# KiCad board px16_regfile.kicad_pcb (continued)
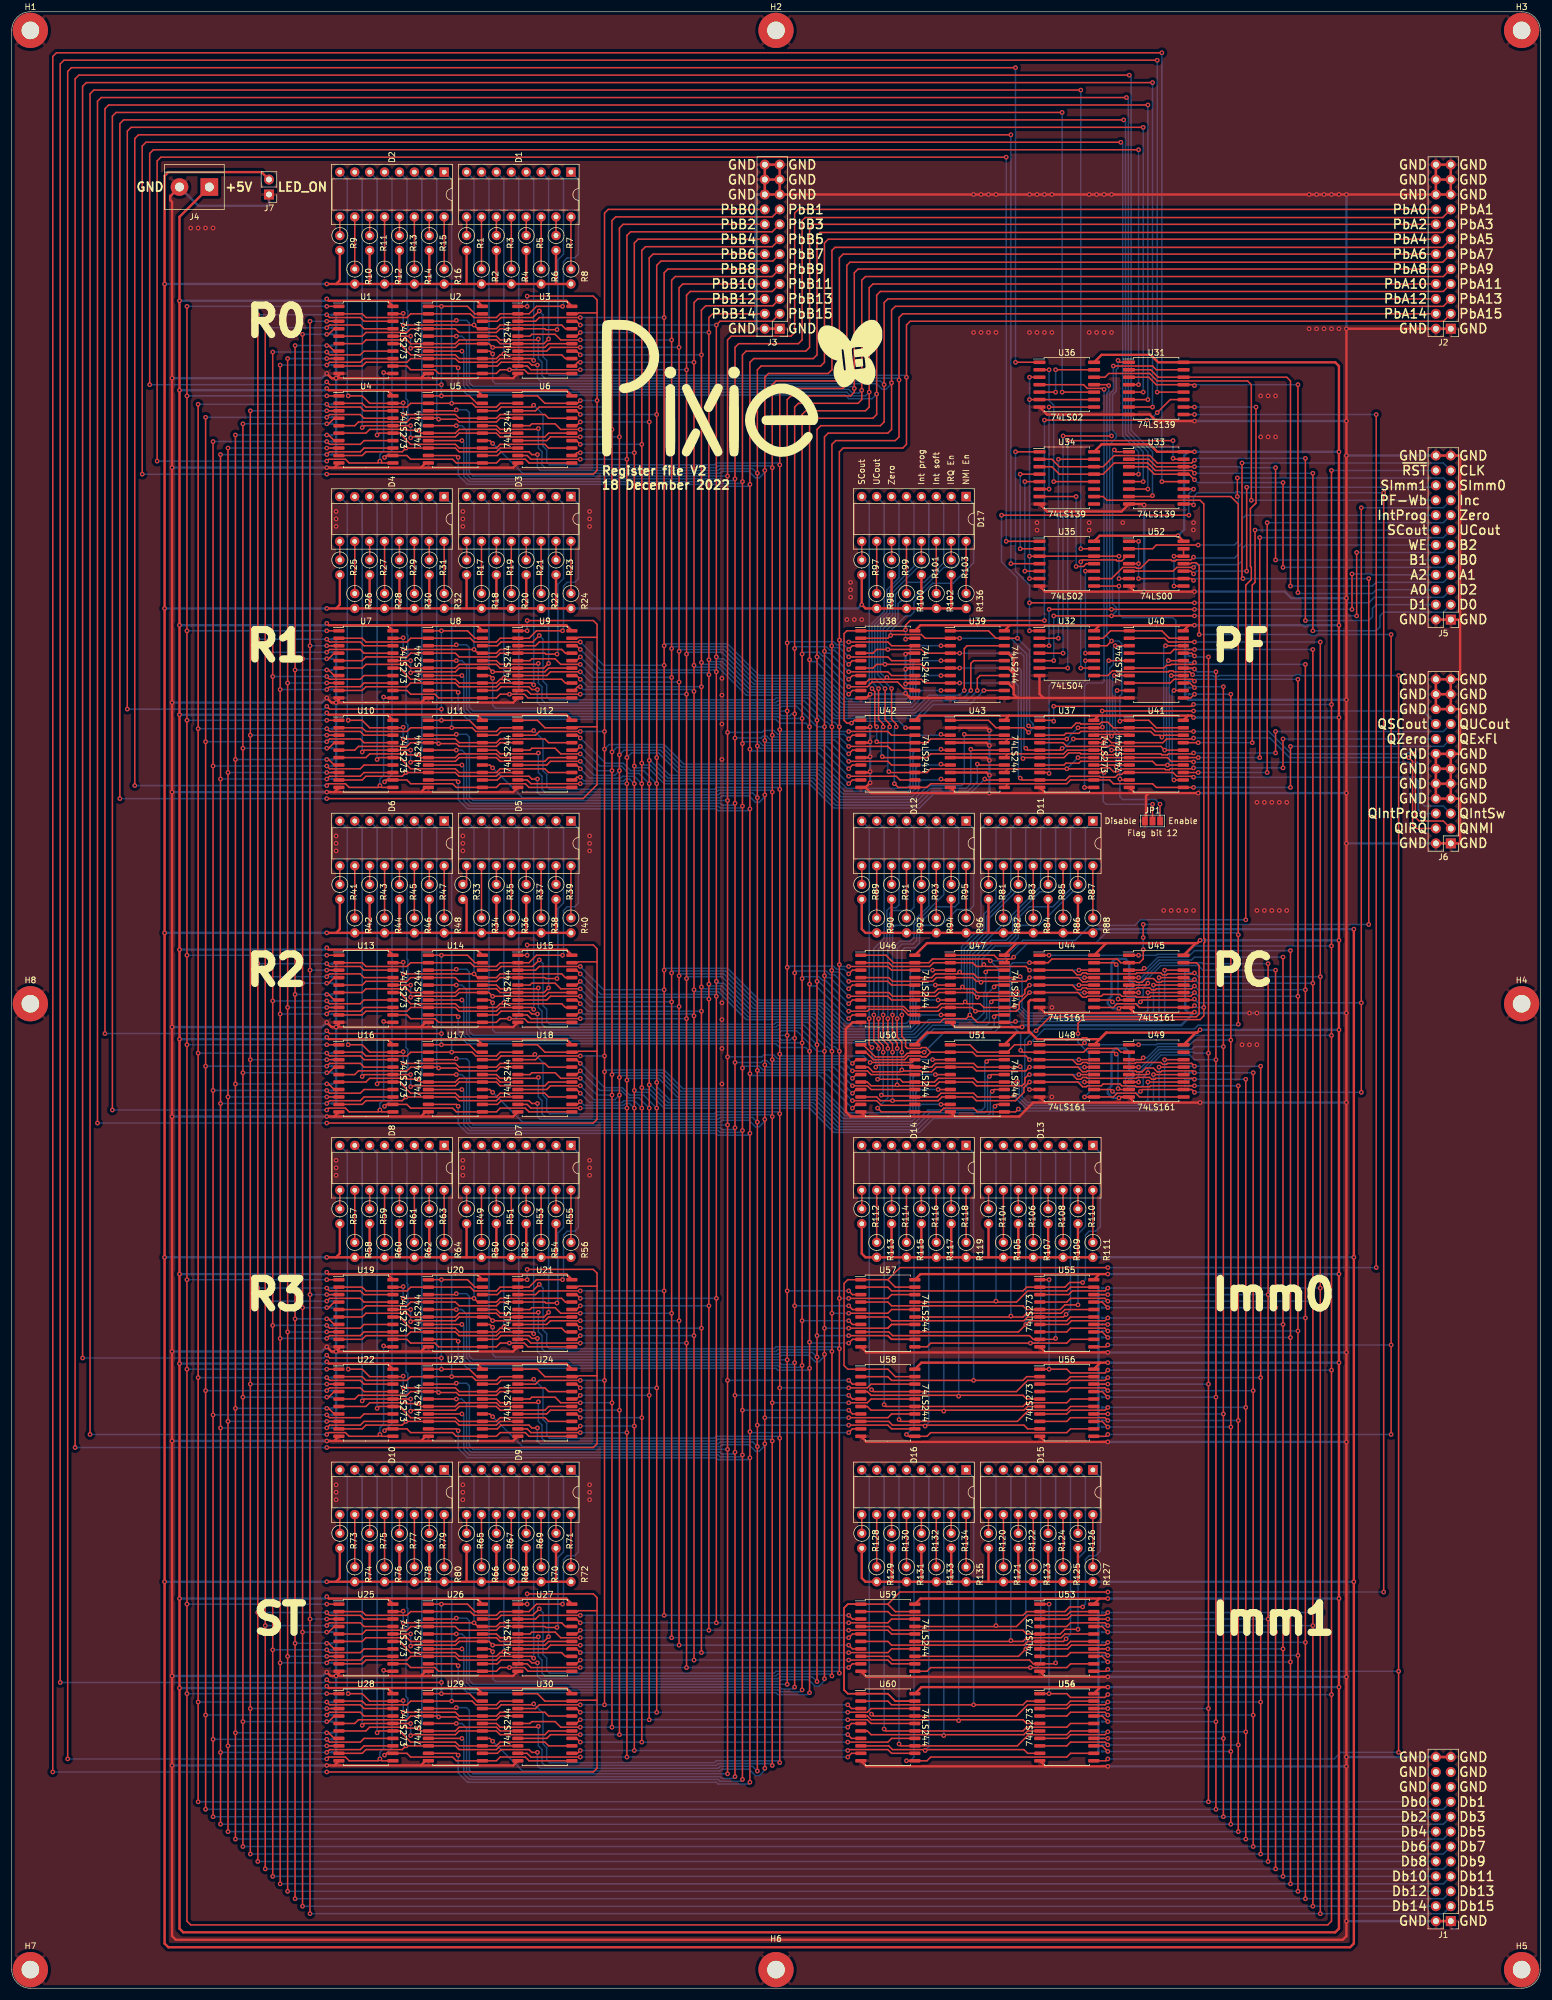
[diagram p0: board, top side]
## Routing (per net, layer and track width the routed paths; a pad name or vN(x,y) marks a point on that pad's centre or on a via; arc(x,y) is an arc through that point) (continued)
/R1Q6: length 64
  Top w0.25: U9.15 91.44,224.79 90.81,224.16 v1(81.92,224.16) 81.28,224.79 U8.15 76.2,224.79 75.57,224.16 68.1,224.16 v1(67.95,224) ; U7.16 v1(67.95,226.06)
  Bottom w0.25: D3.7 81.28,252.73 81.28,224.79 v1(81.92,224.16) ; v1(67.95,226.06) v1(67.95,224)
/R1Q7: length 59.9
  Top w0.25: U9.17 94.3,227.33 93.66,227.97 83.18,227.97 82.55,227.33 U8.17 79.38,227.33 v1(78.74,227.97) v1(66.68,227.97) ; v1(66.68,229.96) 66.59,229.87 U7.19
  Bottom w0.25: v1(78.74,227.97) 78.74,252.73 D3.8 ; v1(66.68,229.96) v1(66.68,227.97)
/R1Q8: length 71.4
  Top w0.25: U10.2 59.69,214.63 60.33,214 67.31,214 67.95,214.63 U11.2 v1(74.93,214.63) 78.42,214.63 79.06,214 82.55,214 83.19,214.63 U12.2
  Bottom w0.25: 73.66,254 74.93,252.73 v1(74.93,214.63)
/R1Q9: length 74.3
  Top w0.25: U10.5 58.42,210.82 59.06,211.46 67.31,211.46 67.95,212.09 U11.4 72.55,212.09 v1(72.71,211.93) 75.72,211.93 76.2,211.46 82.55,211.46 83.19,212.09 U12.4
  Bottom w0.25: 71.12,254 72.39,252.73 72.39,212.25 v1(72.71,211.93)
/R1Q10: length 76.3
  Top w0.25: U12.6 83.19,209.55 82.55,210.19 76.2,210.19 75.57,209.55 U11.6 69.69,209.55 v1(69.22,210.03) 67.47,210.03 67.31,210.19 60.96,210.19 60.33,209.55 U10.6
  Bottom w0.25: v1(69.22,210.03) 69.85,210.66 69.85,252.73 68.58,254
/R1Q11: length 79.5
  Top w0.25: U12.8 83.19,207.01 82.55,206.38 76.2,206.38 75.57,207.01 U11.8 v1(67.15,207.01) 66.52,206.38 60.33,206.38 59.69,205.74 U10.9
  Bottom w0.25: v1(67.15,207.01) 67.15,211.61 67.47,211.93 67.47,215.11 67.15,215.42 67.15,226.85 67.47,227.17 67.47,230.35 67.31,230.51 67.31,252.73 66.04,254
/R1Q12: length 82.7
  Top w0.25: U12.11 88.11,204.47 87.47,205.11 83.19,205.11 82.55,204.47 U11.11 75.72,204.47 75.09,205.11 67.95,205.11 67.31,205.74 U10.12 63.82,205.74 v1(63.5,205.42)
  Bottom w0.25: 63.5,254 64.77,252.73 64.77,206.69 v1(63.5,205.42)
/R1Q13: length 80.2
  Top w0.25: U12.13 91.44,207.01 90.81,207.65 83.18,207.65 82.55,207.01 U11.13 76.2,207.01 75.57,207.65 67.95,207.65 66.04,209.55 U10.15 62.55,209.55 v1(62.23,209.23)
  Bottom w0.25: v1(62.23,209.23) 62.23,252.73 60.96,254
/R1Q14: length 82.8
  Top w0.25: v1(59.69,210.5) 60.01,210.82 U10.16 v1(67.95,210.82) ; U12.15 91.44,209.55 90.81,208.92 83.18,208.92 82.55,209.55 U11.15 76.2,209.55 75.57,208.92 68.1,208.92 v1(67.95,208.76)
  Bottom w0.25: 58.42,254 59.69,252.73 v1(59.69,210.5) ; v1(67.95,210.82) v1(67.95,208.76)
/R1Q15: length 80.1
  Top w0.25: U12.17 91.44,212.09 90.81,212.73 83.18,212.73 82.55,212.09 U11.17 76.2,212.09 75.57,212.73 v1(66.68,212.73) ; v1(66.68,214.72) 66.59,214.63 U10.19 60.96,214.63 59.69,215.9 v1(57.31,215.9)
  Bottom w0.25: v1(57.31,215.9) 57.15,216.06 57.15,252.73 55.88,254 ; v1(66.68,214.72) v1(66.68,212.73)
/R2-WE: length 449.8
  Top w0.25: U16.11 63.02,149.23 v1(62.71,149.54) 62.39,149.23 57.47,149.23 56.83,149.86 53.98,149.86 v1(53.66,149.54) ; U36.10 v1(178.91,271.78) ; U13.11 63.5,164.47 v1(63.34,164.62) ; v1(178.91,319.41) 17.78,319.41 17.14,318.77 v1(17.14,149.54)
  Bottom w0.25: v1(63.34,164.62) 63.34,151.29 62.71,150.65 v1(62.71,149.54) ; v1(178.91,271.78) v1(178.91,319.41) ; v1(53.66,149.54) v1(17.14,149.54)
/R2Q0: length 64.9
  Top w0.25: v1(93.82,175.9) 89.38,175.9 88.11,174.63 U15.2 83.19,174.63 82.55,173.99 78.74,173.99 78.11,174.63 U14.2 67.95,174.63 67.31,173.99 60.33,173.99 59.69,174.63 U13.2
  Bottom w0.25: v1(93.82,175.9) 93.98,176.05 93.98,183.52 94.62,184.15 95.89,184.15 96.52,184.79 96.52,197.49 D5.1
/R2Q1: length 66.1
  Top w0.25: U13.5 59.69,170.82 60.33,171.45 67.31,171.45 67.95,172.09 U14.4 75.57,172.09 76.2,171.45 82.55,171.45 83.19,172.09 U15.4 90.8,172.09 90.96,171.93 v1(92.87,171.93)
  Bottom w0.25: v1(92.87,171.93) 93.03,172.09 93.03,183.83 93.98,184.79 93.98,197.49 D5.2
/R2Q2: length 66
  Top w0.25: 55.73,169.55 59.69,169.55 60.33,170.18 67.31,170.18 67.95,169.55 75.57,169.55 76.2,170.18 82.55,170.18 83.19,169.55 90.65,169.55 v1(91.44,170.34)
  Bottom w0.25: v1(91.44,170.34) 91.44,197.49 D5.3
/R2Q3: length 67
  Top w0.25: U13.9 59.69,165.74 60.33,166.37 67.31,166.37 67.95,167.01 U14.8 75.57,167.01 76.2,166.37 82.55,166.37 83.19,167.01 U15.8 88.58,167.01 v1(88.9,166.69)
  Bottom w0.25: D5.4 88.9,197.49 v1(88.9,166.69)
/R2Q4: length 66.9
  Top w0.25: U13.12 67.31,165.74 67.95,165.1 72.07,165.1 72.71,164.47 U14.11 82.55,164.47 83.19,165.1 v1(84.77,165.1) 87.31,165.1 87.95,164.47 U15.11
  Bottom w0.25: v1(84.77,165.1) 85.73,165.1 86.36,165.74 86.36,197.49 D5.5
/R2Q5: length 63.7
  Top w0.25: 83.82,167.64 83.18,167.64 82.55,167.01 U14.13 76.2,167.01 75.57,167.64 67.95,167.64 66.04,169.55 64.93,169.55 ; 83.82,167.64 93.66,167.64 94.3,167.01 U15.13 ; 83.82,167.64 v1(83.82,167.8)
  Bottom w0.25: v1(83.82,167.8) 83.82,197.49 D5.6
/R2Q6: length 64
  Top w0.25: U13.16 v1(67.95,170.82) ; 95.41,169.55 91.44,169.55 90.81,168.91 v1(81.92,168.91) 81.28,169.55 76.2,169.55 75.57,168.91 68.1,168.91 v1(67.95,168.75)
  Bottom w0.25: D5.7 81.28,197.49 81.28,169.55 v1(81.92,168.91) ; v1(67.95,170.82) v1(67.95,168.75)
/R2Q7: length 59.9
  Top w0.25: U15.17 94.3,172.09 93.66,172.72 83.18,172.72 82.55,172.09 U14.17 79.38,172.09 v1(78.74,172.72) v1(66.68,172.72) ; v1(66.68,174.71) 66.59,174.63 U13.19
  Bottom w0.25: v1(78.74,172.72) 78.74,197.49 D5.8 ; v1(66.68,174.71) v1(66.68,172.72)
/R2Q8: length 71.4
  Top w0.25: U18.2 83.19,159.39 82.55,158.75 79.06,158.75 78.42,159.39 v1(74.93,159.39) U17.2 67.95,159.39 67.31,158.75 60.33,158.75 59.69,159.39 U16.2
  Bottom w0.25: D6.1 74.93,197.49 v1(74.93,159.39)
/R2Q9: length 74.3
  Top w0.25: U18.4 83.19,156.85 82.55,156.21 76.2,156.21 75.72,156.69 v1(72.71,156.69) 72.55,156.85 U17.4 67.95,156.85 67.31,156.21 59.06,156.21 58.42,155.58 U16.5
  Bottom w0.25: D6.2 72.39,197.49 72.39,157 v1(72.71,156.69)
/R2Q10: length 76.3
  Top w0.25: U18.6 83.19,154.31 82.55,154.94 76.2,154.94 75.57,154.31 U17.6 69.69,154.31 v1(69.22,154.78) 67.47,154.78 67.31,154.94 60.96,154.94 60.33,154.31 U16.6
  Bottom w0.25: v1(69.22,154.78) 69.85,155.42 69.85,197.49 D6.3
/R2Q11: length 79.5
  Top w0.25: U18.8 83.19,151.77 82.55,151.13 76.2,151.13 75.57,151.77 U17.8 v1(67.15,151.77) 66.52,151.13 60.33,151.13 59.69,150.5 U16.9
  Bottom w0.25: v1(67.15,151.77) 67.15,156.37 67.47,156.69 67.47,159.86 67.15,160.18 67.15,171.61 67.47,171.93 67.47,175.1 67.31,175.26 67.31,197.49 D6.4
/R2Q12: length 82.7
  Top w0.25: U18.11 88.11,149.23 87.47,149.86 83.19,149.86 82.55,149.23 U17.11 75.72,149.23 75.09,149.86 67.95,149.86 67.31,150.5 U16.12 63.82,150.5 v1(63.5,150.18)
  Bottom w0.25: v1(63.5,150.18) 64.77,151.45 64.77,197.49 D6.5
/R2Q13: length 80.2
  Top w0.25: U18.13 91.44,151.77 90.81,152.4 83.18,152.4 82.55,151.77 U17.13 76.2,151.77 75.57,152.4 67.95,152.4 66.04,154.31 U16.15 62.55,154.31 v1(62.23,153.99)
  Bottom w0.25: D6.6 62.23,197.49 v1(62.23,153.99)
/R2Q14: length 82.8
  Top w0.25: v1(67.95,155.58) U16.16 60.01,155.58 v1(59.69,155.26) ; v1(67.95,153.51) 68.1,153.67 75.57,153.67 76.2,154.31 U17.15 82.55,154.31 83.18,153.67 90.81,153.67 91.44,154.31 U18.15
  Bottom w0.25: D6.7 59.69,197.49 v1(59.69,155.26) ; v1(67.95,155.58) v1(67.95,153.51)
/R2Q15: length 80.1
  Top w0.25: v1(57.31,160.66) 59.69,160.66 60.96,159.39 U16.19 66.59,159.39 v1(66.68,159.47) ; U18.17 91.44,156.85 90.81,157.48 83.18,157.48 82.55,156.85 U17.17 76.2,156.85 75.57,157.48 v1(66.68,157.48)
  Bottom w0.25: D6.8 57.15,197.49 57.15,160.81 v1(57.31,160.66) ; v1(66.68,159.47) v1(66.68,157.48)
/R3-WE: length 546.9
  Top w0.25: v1(63.34,109.38) 63.5,109.22 U19.11 ; v1(182.09,323.22) 13.97,323.22 13.34,322.58 v1(13.34,94.3) ; U35.13 v1(182.09,245.11) ; U22.11 63.02,93.98 v1(62.71,94.3) 62.39,93.98 57.47,93.98 56.83,94.62 53.98,94.62 v1(53.66,94.3)
  Bottom w0.25: v1(53.66,94.3) v1(13.34,94.3) ; v1(182.09,245.11) v1(182.09,323.22) ; v1(62.71,94.3) 62.71,95.41 63.34,96.04 v1(63.34,109.38)
/R3Q0: length 64.9
  Top w0.25: U19.2 59.69,119.38 60.33,118.75 67.31,118.75 67.95,119.38 U20.2 78.11,119.38 78.74,118.75 82.55,118.75 83.19,119.38 U21.2 88.11,119.38 89.38,120.65 v1(93.82,120.65)
  Bottom w0.25: D7.1 96.52,142.24 96.52,129.54 95.89,128.91 94.62,128.91 93.98,128.27 93.98,120.81 v1(93.82,120.65)
/R3Q1: length 66.1
  Top w0.25: U19.5 59.69,115.57 60.33,116.21 67.31,116.21 67.95,116.84 U20.4 75.57,116.84 76.2,116.21 82.55,116.21 83.19,116.84 U21.4 90.8,116.84 90.96,116.68 v1(92.87,116.68)
  Bottom w0.25: v1(92.87,116.68) 93.03,116.84 93.03,128.59 93.98,129.54 93.98,142.24 D7.2
/R3Q2: length 66
  Top w0.25: v1(91.44,115.09) 90.65,114.3 U21.6 83.19,114.3 82.55,114.94 76.2,114.94 75.57,114.3 U20.6 67.95,114.3 67.31,114.94 60.33,114.94 59.69,114.3 U19.6
  Bottom w0.25: v1(91.44,115.09) 91.44,142.24 D7.3
/R3Q3: length 67
  Top w0.25: v1(88.9,111.44) 88.58,111.76 U21.8 83.19,111.76 82.55,111.13 76.2,111.13 75.57,111.76 U20.8 67.95,111.76 67.31,111.13 60.33,111.13 59.69,110.49 U19.9
  Bottom w0.25: D7.4 88.9,142.24 v1(88.9,111.44)
/R3Q4: length 66.9
  Top w0.25: U19.12 67.31,110.49 67.95,109.86 72.07,109.86 72.71,109.22 U20.11 82.55,109.22 83.19,109.86 v1(84.77,109.86) 87.31,109.86 87.95,109.22 U21.11
  Bottom w0.25: D7.5 86.36,142.24 86.36,110.49 85.73,109.86 v1(84.77,109.86)
/R3Q5: length 63.7
  Top w0.25: 83.82,112.4 93.66,112.4 94.3,111.76 U21.13 ; 83.82,112.4 83.18,112.4 82.55,111.76 U20.13 76.2,111.76 75.57,112.4 67.95,112.4 66.04,114.3 U19.15 ; 83.82,112.4 v1(83.82,112.55)
  Bottom w0.25: D7.6 83.82,142.24 v1(83.82,112.55)
/R3Q6: length 64
  Top w0.25: U21.15 91.44,114.3 90.81,113.67 v1(81.92,113.67) 81.28,114.3 U20.15 76.2,114.3 75.57,113.67 68.1,113.67 v1(67.95,113.51) ; U19.16 v1(67.95,115.57)
  Bottom w0.25: D7.7 81.28,142.24 81.28,114.3 v1(81.92,113.67) ; v1(67.95,115.57) v1(67.95,113.51)
/R3Q7: length 59.9
  Top w0.25: v1(66.68,119.47) 66.59,119.38 U19.19 ; U21.17 94.3,116.84 93.66,117.48 83.18,117.48 82.55,116.84 U20.17 79.38,116.84 v1(78.74,117.48) v1(66.68,117.48)
  Bottom w0.25: D7.8 78.74,142.24 v1(78.74,117.48) ; v1(66.68,119.47) v1(66.68,117.48)
/R3Q8: length 71.4
  Top w0.25: U24.2 83.19,104.14 82.55,103.51 79.06,103.51 78.42,104.14 v1(74.93,104.14) U23.2 67.95,104.14 67.31,103.51 60.33,103.51 59.69,104.14 U22.2
  Bottom w0.25: v1(74.93,104.14) 74.93,142.24 D8.1
/R3Q9: length 74.3
  Top w0.25: U22.5 58.42,100.33 59.06,100.97 67.31,100.97 67.95,101.6 U23.4 72.55,101.6 v1(72.71,101.44) 75.72,101.44 76.2,100.97 82.55,100.97 83.19,101.6 U24.4
  Bottom w0.25: D8.2 72.39,142.24 72.39,101.76 v1(72.71,101.44)
/R3Q10: length 76.3
  Top w0.25: U22.6 60.33,99.06 60.96,99.7 67.31,99.7 67.47,99.54 v1(69.22,99.54) 69.69,99.06 U23.6 75.57,99.06 76.2,99.7 82.55,99.7 83.19,99.06 U24.6
  Bottom w0.25: v1(69.22,99.54) 69.85,100.17 69.85,142.24 D8.3
/R3Q11: length 79.5
  Top w0.25: U22.9 59.69,95.25 60.33,95.89 66.52,95.89 v1(67.15,96.52) U23.8 75.57,96.52 76.2,95.89 82.55,95.89 83.19,96.52 U24.8
  Bottom w0.25: D8.4 67.31,142.24 67.31,120.02 67.47,119.86 67.47,116.68 67.15,116.36 67.15,104.93 67.47,104.62 67.47,101.44 67.15,101.12 v1(67.15,96.52)
/R3Q12: length 82.7
  Top w0.25: v1(63.5,94.93) 63.82,95.25 U22.12 67.31,95.25 67.95,94.62 75.09,94.62 75.72,93.98 U23.11 82.55,93.98 83.19,94.62 87.47,94.62 88.11,93.98 U24.11
  Bottom w0.25: v1(63.5,94.93) 64.77,96.2 64.77,142.24 D8.5
/R3Q13: length 80.2
  Top w0.25: U24.13 91.44,96.52 90.81,97.16 83.18,97.16 82.55,96.52 U23.13 76.2,96.52 75.57,97.16 67.95,97.16 66.04,99.06 U22.15 62.55,99.06 v1(62.23,98.74)
  Bottom w0.25: D8.6 62.23,142.24 v1(62.23,98.74)
/R3Q14: length 82.8
  Top w0.25: v1(67.95,100.33) U22.16 60.01,100.33 v1(59.69,100.01) ; v1(67.95,98.27) 68.1,98.43 75.57,98.43 76.2,99.06 U23.15 82.55,99.06 83.18,98.43 90.81,98.43 91.44,99.06 U24.15
  Bottom w0.25: D8.7 59.69,142.24 v1(59.69,100.01) ; v1(67.95,100.33) v1(67.95,98.27)
/R3Q15: length 80.1
  Top w0.25: U24.17 91.44,101.6 90.81,102.24 83.18,102.24 82.55,101.6 U23.17 76.2,101.6 75.57,102.24 v1(66.68,102.24) ; v1(57.31,105.41) 59.69,105.41 60.96,104.14 U22.19 66.59,104.14 v1(66.68,104.23)
  Bottom w0.25: v1(66.68,104.23) v1(66.68,102.24) ; D8.8 57.15,142.24 57.15,105.57 v1(57.31,105.41)
/SCout: length 78.9
  Top w0.25: v1(211.3,212.09) 211.3,238.92 211.77,239.4 v1(211.77,248.29) ; v1(202.09,212.09) U41.17
  Bottom w0.25: v1(202.09,212.09) v1(211.3,212.09) ; v1(211.77,248.29) J5.14
/SImm0: length 66.9
  Top w0.25: U52.2 194.31,245.11 194.94,245.75 v1(202.09,245.75) ; v1(208.76,254) v1(208.76,257.18)
  Bottom w0.25: J5.19 243.84,257.18 v1(208.76,257.18) ; v1(202.09,245.75) 208.28,245.75 208.91,246.38 208.91,253.84 v1(208.76,254)
/SImm1: length 57.8
  Top w0.25: U52.10 200.82,241.3 v1(201.29,240.82) ; v1(210.34,241.3) v1(210.34,255.59)
  Bottom w0.25: J5.20 242.25,255.59 v1(210.34,255.59) ; v1(210.34,241.3) 201.77,241.3 v1(201.29,240.82)
/ST-WE: length 576.3
  Top w0.25: v1(63.34,54.13) 63.5,53.98 U25.11 ; U36.1 v1(170.97,276.86) ; v1(170.97,327.03) 10.16,327.03 9.53,326.39 v1(9.53,39.05) ; U28.11 63.02,38.74 v1(62.71,39.05) 62.39,38.74 57.47,38.74 56.83,39.37 53.98,39.37 v1(53.66,39.05)
  Bottom w0.25: v1(62.71,39.05) 62.71,40.16 63.34,40.8 v1(63.34,54.13) ; v1(53.66,39.05) v1(9.53,39.05) ; v1(170.97,276.86) v1(170.97,327.03)
/STQ0: length 64.9
  Top w0.25: U25.2 59.69,64.14 60.33,63.5 67.31,63.5 67.95,64.14 U26.2 78.11,64.14 78.74,63.5 82.55,63.5 83.19,64.14 U27.2 88.11,64.14 89.38,65.41 v1(93.82,65.41)
  Bottom w0.25: D9.1 96.52,87 96.52,74.3 95.89,73.66 94.62,73.66 93.98,73.03 93.98,65.56 v1(93.82,65.41)
/STQ1: length 66.1
  Top w0.25: U25.5 59.69,60.33 60.33,60.96 67.31,60.96 67.95,61.6 U26.4 75.57,61.6 76.2,60.96 82.55,60.96 83.19,61.6 U27.4 90.8,61.6 90.96,61.44 v1(92.87,61.44)
  Bottom w0.25: v1(92.87,61.44) 93.03,61.6 93.03,73.34 93.98,74.3 93.98,87 D9.2
/STQ2: length 66
  Top w0.25: U25.6 59.69,59.06 60.33,59.69 67.31,59.69 67.95,59.06 U26.6 75.57,59.06 76.2,59.69 82.55,59.69 83.19,59.06 U27.6 90.65,59.06 v1(91.44,59.85)
  Bottom w0.25: v1(91.44,59.85) 91.44,87 D9.3
/STQ3: length 67
  Top w0.25: v1(88.9,56.2) 88.58,56.52 U27.8 83.19,56.52 82.55,55.88 76.2,55.88 75.57,56.52 U26.8 67.95,56.52 67.31,55.88 60.33,55.88 59.69,55.25 55.73,55.25
  Bottom w0.25: v1(88.9,56.2) 88.9,87 D9.4
/STQ4: length 66.9
  Top w0.25: 64.93,55.25 67.31,55.25 67.95,54.61 72.07,54.61 72.71,53.98 U26.11 82.55,53.98 83.19,54.61 v1(84.77,54.61) 87.31,54.61 87.95,53.98 U27.11
  Bottom w0.25: v1(84.77,54.61) 85.73,54.61 86.36,55.25 86.36,87 D9.5
/STQ5: length 63.7
  Top w0.25: 83.82,57.15 83.18,57.15 82.55,56.52 U26.13 76.2,56.52 75.57,57.15 67.95,57.15 66.04,59.06 U25.15 ; 83.82,57.15 93.66,57.15 94.3,56.52 U27.13 ; 83.82,57.15 v1(83.82,57.31)
  Bottom w0.25: v1(83.82,57.31) 83.82,87 D9.6
/STQ6: length 64
  Top w0.25: U25.16 v1(67.95,60.33) ; U27.15 91.44,59.06 90.81,58.42 v1(81.92,58.42) 81.28,59.06 U26.15 76.2,59.06 75.57,58.42 68.1,58.42 v1(67.95,58.26)
  Bottom w0.25: v1(81.92,58.42) 81.28,59.06 81.28,87 D9.7 ; v1(67.95,60.33) v1(67.95,58.26)
/STQ7: length 59.9
  Top w0.25: U25.19 66.59,64.14 v1(66.68,64.22) ; v1(66.68,62.23) v1(78.74,62.23) 79.38,61.6 U26.17 82.55,61.6 83.18,62.23 93.66,62.23 94.3,61.6 U27.17
  Bottom w0.25: v1(78.74,62.23) 78.74,87 D9.8 ; v1(66.68,64.22) v1(66.68,62.23)
/STQ8: length 71.4
  Top w0.25: U30.2 83.19,48.9 82.55,48.26 79.06,48.26 78.42,48.9 v1(74.93,48.9) U29.2 67.95,48.9 67.31,48.26 60.33,48.26 59.69,48.9 U28.2
  Bottom w0.25: v1(74.93,48.9) 74.93,87 D10.1
/STQ9: length 74.3
  Top w0.25: U30.4 83.19,46.36 82.55,45.72 76.2,45.72 75.72,46.2 v1(72.71,46.2) 72.55,46.36 U29.4 67.95,46.36 67.31,45.72 59.06,45.72 58.42,45.09 U28.5
  Bottom w0.25: v1(72.71,46.2) 72.39,46.51 72.39,87 D10.2
/STQ10: length 76.3
  Top w0.25: U28.6 60.33,43.82 60.96,44.45 67.31,44.45 67.47,44.29 v1(69.22,44.29) 69.69,43.82 U29.6 75.57,43.82 76.2,44.45 82.55,44.45 83.19,43.82 U30.6
  Bottom w0.25: D10.3 69.85,87 69.85,44.93 v1(69.22,44.29)
/STQ11: length 79.5
  Top w0.25: U30.8 83.19,41.28 82.55,40.64 76.2,40.64 75.57,41.28 U29.8 v1(67.15,41.28) 66.52,40.64 60.33,40.64 59.69,40.01 U28.9
  Bottom w0.25: v1(67.15,41.28) 67.15,45.88 67.47,46.2 67.47,49.37 67.15,49.69 67.15,61.12 67.47,61.44 67.47,64.61 67.31,64.77 67.31,87 D10.4
/STQ12: length 82.7
  Top w0.25: v1(63.5,39.69) 63.82,40.01 U28.12 67.31,40.01 67.95,39.37 75.09,39.37 75.72,38.74 U29.11 82.55,38.74 83.19,39.37 87.47,39.37 88.11,38.74 U30.11
  Bottom w0.25: D10.5 64.77,87 64.77,40.96 v1(63.5,39.69)
/STQ13: length 80.2
  Top w0.25: v1(62.23,43.5) 62.55,43.82 U28.15 66.04,43.82 67.95,41.91 75.57,41.91 76.2,41.28 U29.13 82.55,41.28 83.18,41.91 90.81,41.91 91.44,41.28 U30.13
  Bottom w0.25: v1(62.23,43.5) 62.23,87 D10.6
/STQ14: length 82.8
  Top w0.25: U30.15 91.44,43.82 90.81,43.18 83.18,43.18 82.55,43.81 ; 82.55,43.82 U29.15 76.2,43.82 75.57,43.18 68.1,43.18 v1(67.95,43.02) ; v1(67.95,45.09) U28.16 60.01,45.09 v1(59.69,44.77)
  Bottom w0.25: v1(59.69,44.77) 59.69,87 D10.7 ; v1(67.95,45.09) v1(67.95,43.02)
/STQ15: length 80.1
  Top w0.25: v1(57.31,50.17) 59.69,50.17 60.96,48.9 U28.19 66.59,48.9 v1(66.68,48.98) ; v1(66.68,46.99) 75.57,46.99 76.2,46.36 U29.17 82.55,46.36 83.18,46.99 90.81,46.99 91.44,46.36 U30.17
  Bottom w0.25: D10.8 57.15,87 57.15,50.32 v1(57.31,50.17) ; v1(66.68,48.98) v1(66.68,46.99)
/UCout: length 83.6
  Top w0.25: U41.15 v1(202.09,209.55) ; v1(212.57,209.55) v1(212.57,247.02)
  Bottom w0.25: v1(212.57,247.02) 243.84,247.02 J5.13 ; v1(202.09,209.55) v1(212.57,209.55)
/WE: length 55.3
  Top w0.25: U52.5 197.8,241.3 198.44,241.94 v1(201.29,241.94)
  Bottom w0.25: J5.12 210.19,245.75 209.55,245.11 209.55,243.05 208.91,242.41 201.77,242.41 v1(201.29,241.94)
/Zero: length 88.6
  Top w0.25: v1(213.84,207.01) v1(213.84,249.56) ; U41.13 v1(202.09,207.01)
  Bottom w0.25: v1(202.09,207.01) v1(213.84,207.01) ; J5.15 243.84,249.56 v1(213.84,249.56)
/~{A2}: length 73.8
  Top w0.25: U31.15 194.94,275.59 194.31,276.23 v1(187.64,276.23) ; U32.4 v1(179.07,227.33) ; v1(187.32,264.32) v1(179.07,264.32)
  Bottom w0.25: v1(187.32,264.32) 187.01,264.64 187.01,271.46 187.35,271.8 187.35,271.81 187.64,272.1 v1(187.64,276.23) ; v1(179.07,227.33) v1(179.07,264.32)
/~{B2}: length 66.4
  Top w0.25: U32.6 v1(179.86,224.79) ; v1(197.8,263.53) v1(179.86,263.53) ; U33.15 197.96,260.35 v1(197.8,260.51)
  Bottom w0.25: v1(197.8,260.51) v1(197.8,263.53) ; v1(179.86,224.79) v1(179.86,263.53)
/~{D2}: length 39.8
  Top w0.25: v1(178.28,260.35) U34.15 ; U32.2 v1(178.28,229.87)
  Bottom w0.25: v1(178.28,229.87) v1(178.28,260.35)
/~{Imm-OEa}: length 301.8
  Top w0.25: U58.19 150.5,104.14 149.22,105.41 U58.1 142.4,105.41 141.76,106.05 141.76,120.02 142.4,120.65 U57.1 149.22,120.65 ; v1(201.45,267.97) U31.9 ; v1(232.41,122.71) v1(232.41,267.97) ; 149.22,120.65 150.5,119.38 U57.19 ; 149.22,120.65 151.29,122.71 v1(186.69,122.71)
  Bottom w0.25: v1(232.41,267.97) v1(201.45,267.97) ; v1(186.69,122.71) v1(232.41,122.71)
/~{Imm-OEb}: length 378.1
  Top w0.25: 142.4,65.41 U59.1 ; 142.4,65.41 U59.1 ; 142.4,65.41 141.76,64.77 ; 142.4,65.41 141.76,64.77 ; U59.1 149.22,65.41 ; 150.5,48.9 U60.19 150.5,48.9 ; 150.5,48.9 149.22,50.17 ; 150.5,48.9 149.22,50.17 ; U60.1 142.4,50.17 ; U60.1 149.22,50.17 ; U60.1 142.4,50.17 ; U60.1 149.22,50.17 ; 142.4,50.17 141.76,50.8 ; 142.4,50.17 141.76,50.8 ; 149.22,65.41 150.5,64.14 U59.19 ; 149.22,65.41 151.29,67.47 v1(186.69,67.47) ; v1(201.29,252.57) 201.14,252.73 U33.9 ; v1(233.68,67.47) v1(233.68,254.64) ; 141.76,64.77 141.76,50.8 ; 141.76,64.77 141.76,50.8
  Bottom w0.25: v1(186.69,67.47) v1(233.68,67.47) ; v1(233.68,254.64) 209.23,254.64 209.07,254.79 208.52,254.79 208.37,254.64 201.93,254.64 201.29,254 v1(201.29,252.57)
/~{PC-OEa}: length 208.3
  Top w0.25: v1(155.42,159.39) U50.19 153.64,159.2 152.53,159.2 151.92,158.59 147.09,158.59 145.02,160.66 U50.1 ; U46.1 148.91,175.9 150.18,174.63 U46.19 156.21,174.63 156.84,175.26 166.37,175.26 v1(166.69,174.94) ; v1(201.45,269.24) U31.10 ; v1(210.19,181.93) 210.19,238.92 211.14,239.87 211.14,241.94 210.98,242.09 210.98,251.94 211.93,252.89 v1(211.93,269.24)
  Bottom w0.25: v1(155.42,159.39) 158.91,162.88 167.48,162.88 168.12,163.51 168.12,173.51 v1(166.69,174.94) 168.75,174.94 172.24,178.44 181.13,178.44 183.67,180.98 191.29,180.98 192.25,181.93 v1(210.19,181.93) ; v1(211.93,269.24) v1(201.45,269.24)
/~{PC-OEb}: length 202.2
  Top w0.25: v1(173.39,160.97) 173.07,160.66 170.81,160.66 169.54,159.39 U51.19 164.47,159.39 163.19,160.66 U51.1 ; 169.71,175.27 U47.19 ; 169.71,175.27 167.95,175.27 167.32,175.9 U47.1 ; 169.71,175.27 170.35,175.27 v1(170.66,175.58) ; U33.10 207.64,254 208.91,252.73 v1(208.91,179.39) v1(208.91,164.15)
  Bottom w0.25: v1(170.66,175.58) 173.04,177.96 184.63,177.96 186.37,179.71 208.6,179.71 v1(208.91,179.39) ; v1(208.91,164.15) 208.76,163.99 202.09,163.99 201.45,163.35 175.89,163.35 173.51,160.97 v1(173.39,160.97)
/~{PC-WE}: length 179
  Top w0.25: 199.59,151.77 192.09,151.77 191.45,152.4 188.28,152.4 187.64,151.77 v1(182.72,151.77) ; v1(181.61,162.56) 181.61,164.31 182.25,164.94 202.41,164.94 203.04,165.58 v1(203.04,167.01) 203.04,177.96 203.2,178.12 203.2,178.67 203.04,178.82 203.04,252.73 202.41,253.37 186.53,253.37 185.9,254 U34.10 ; v1(201.45,167.32) 201.14,167.01 U45.9 192.09,167.01 191.45,167.64 188.28,167.64 187.64,167.01 U44.9